# Altium PCB PCB2.PcbDoc
Units mil, origin at the board's own origin, x right, y up, seen from the top; angles counter-clockwise.
Board outline 2010 x 3790 mil, 2 copper layers (Top Layer, Bottom Layer); 87 components, 56 nets, 267 pads, 52 vias.
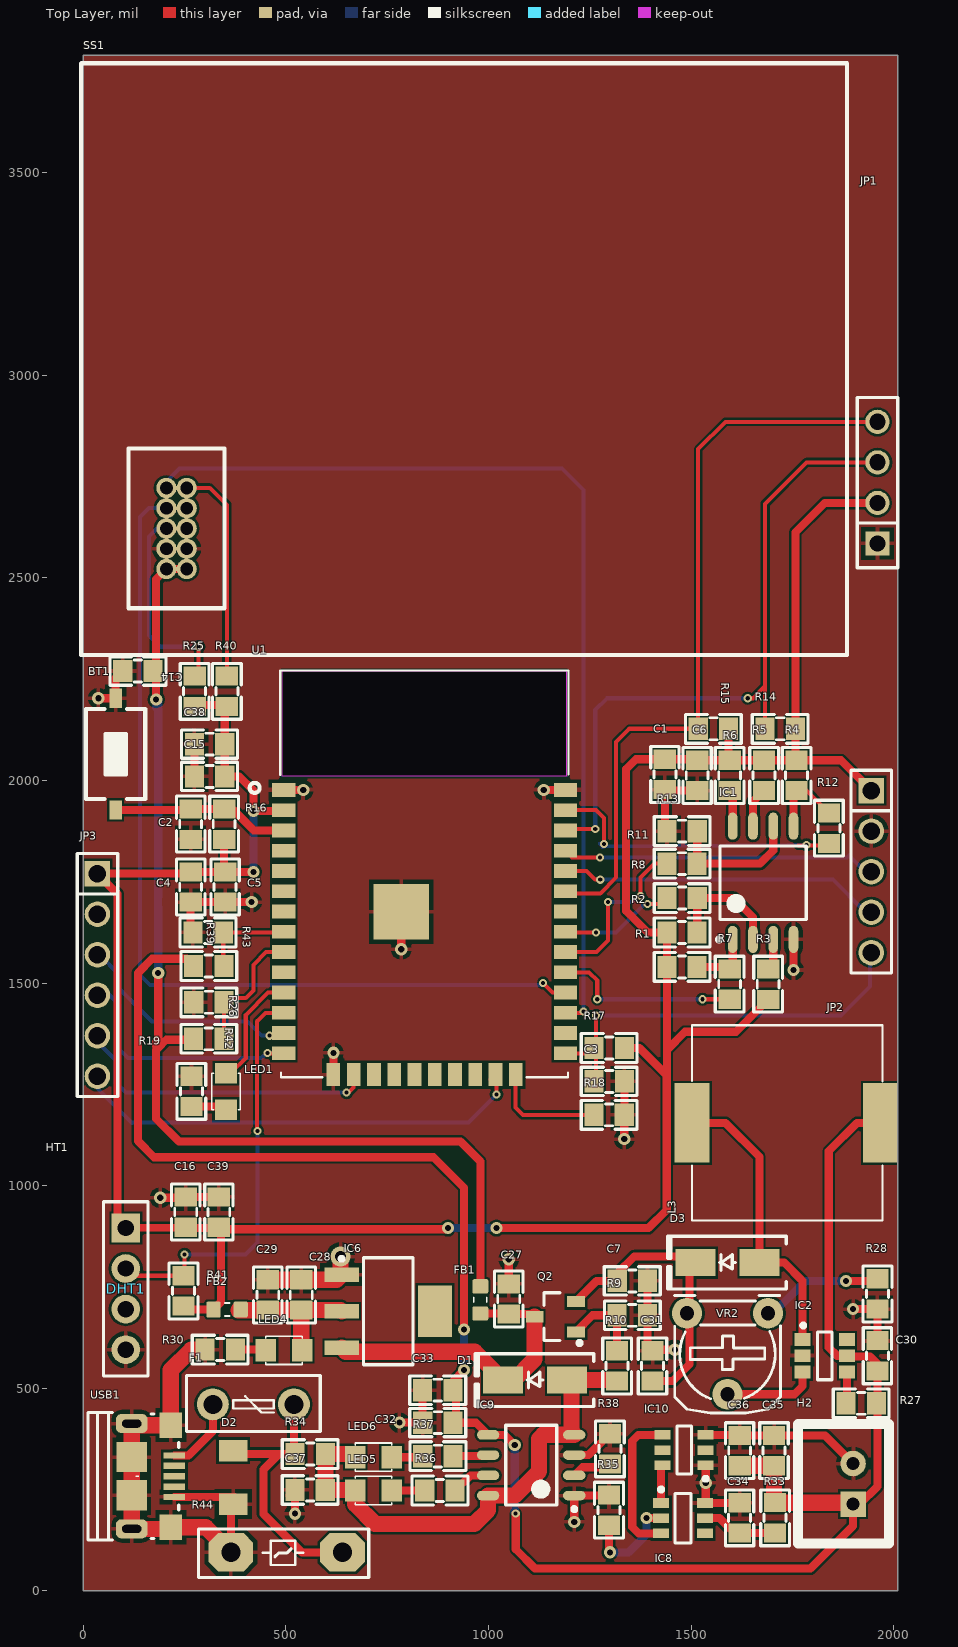
[diagram p0: Top Layer view]
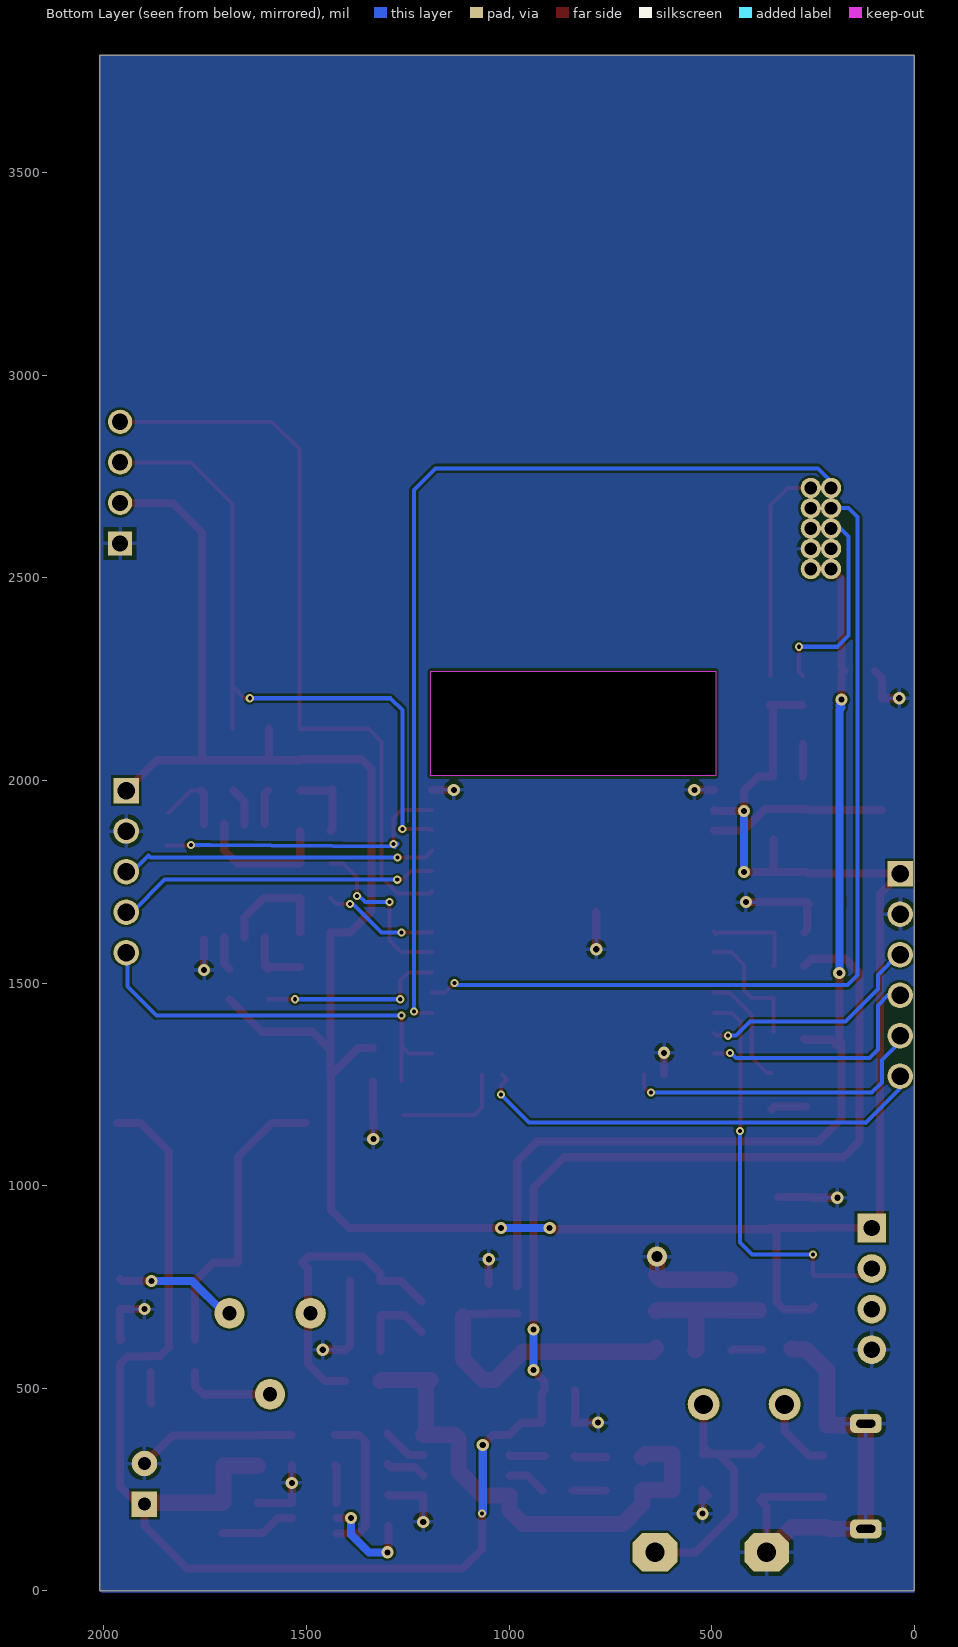
[diagram p1: Bottom Layer view, seen from below]
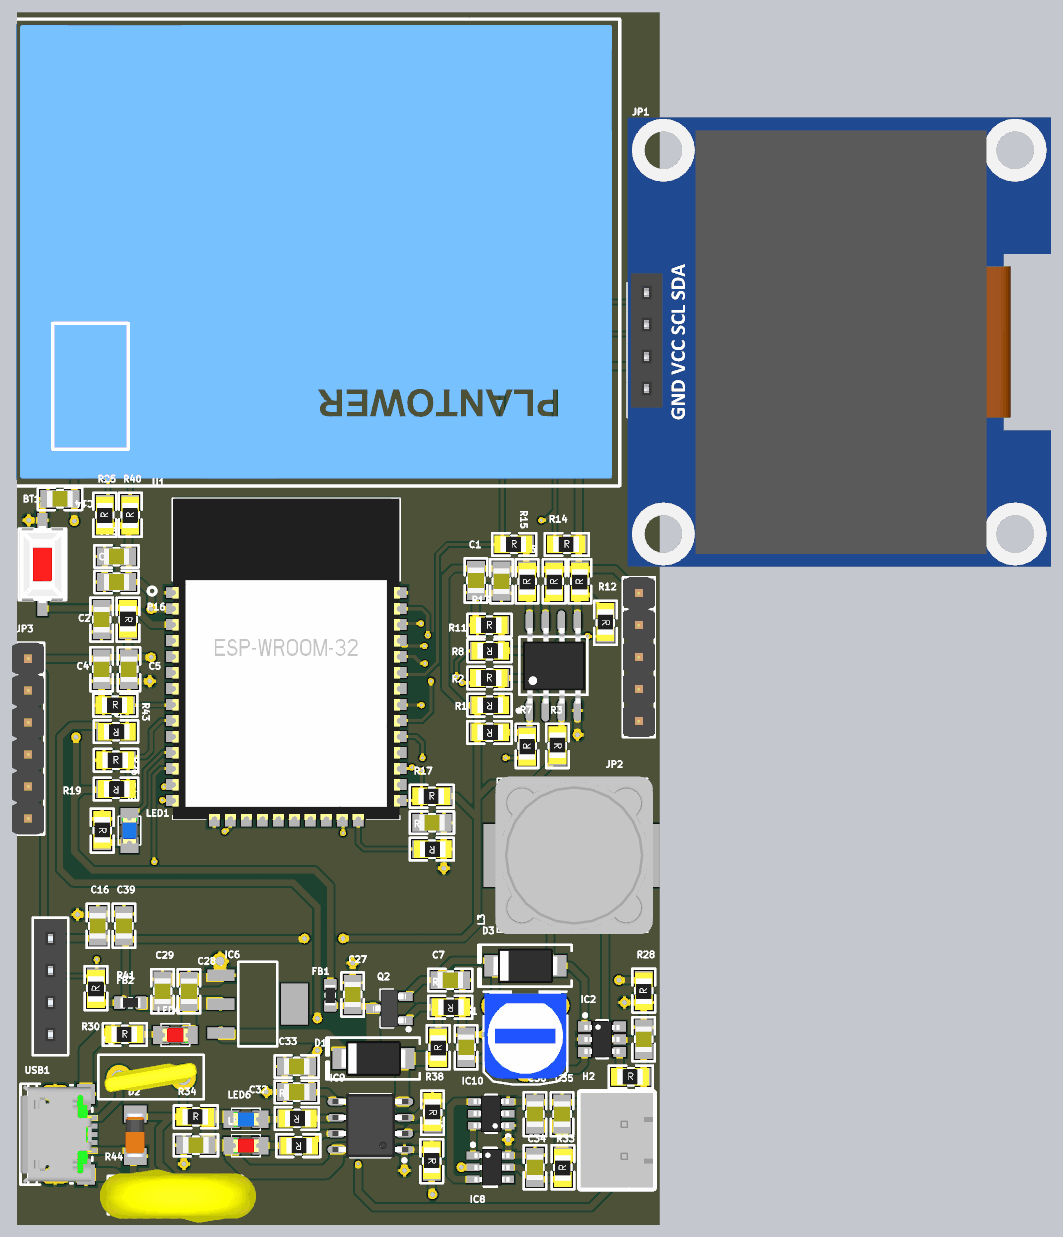
[diagram p2: 3D render of the assembled board from above, using the file's embedded part models]

## Layer stack, top to bottom
Top Solder: solder mask 0.4, Solder Resist, Dk 3.5
Top Layer: signal copper 1.4
Dielectric 1: dielectric 12.6, FR-4, Dk 4.8
Bottom Layer: signal copper 1.4
Bottom Solder: solder mask 0.4, Solder Resist, Dk 3.5

## Board outline
0,0 2010,0 2010,3790 0,3790
cut-out: 490,2270 490,2011.05 1195,2011.05 1193.74,2012.31 1193.74,2270

## Design rules (kind name [scope] priority, off if disabled: settings)
Clearance [All] p1: gap=6 ignorepadtopadclearanceinfootprint=FALSE
PolygonConnect [All] p1: connectstyle=Relief reliefconductorwidth=10 reliefentries=4 polygonreliefangle="90 Angle" airgapwidth=10
RoutingVias [All] p1: holewidth=15 width=30 viastyle="Through Hole" minholewidth=10 minwidth=20 maxholewidth=28 maxwidth=50
SolderMaskExpansion [All] p1: expansion=4
Width [All] p1: maxlimit=40 minlimit=10 preferedwidth=20
30 further rules are at their usual default settings.

## Classes and differential pairs
component class U_Sensor: C14 C15 C16 C38 C39 DHT1 R25 R40 R41 SS1
component class U_Power: C7 C27 C28 C29 C30 C31 C32 C33 C34 C35 C36 C37 D1 D2 D3 D6 F1 FB1 FB2 H2 IC2 IC6 IC8 IC9 IC10 L3 LED4 LED5 LED6 Q2 R9 R10 R27 R28 R30 R33 R34 R35 R36 R37 R38 R44 USB1 VR2
component class MCU: BT1 C1 C2 C3 C4 C5 C6 IC1 JP1 JP2 JP3 LED1 R1 R2 R3 R4 R5 R6 R7 R8 R11 R12 R13 R14 R15 R16 R17 R18 R19 R26 R39 R42 R43 U1

## Components (designator, comment, footprint, x,y, rotation, side; value= is the part's Value field where it differs from the comment)
BT1 "Nut Nhan 2 Chan SMD 3x6x2.5" "Nut Nhan 2 Chan SMD 3x6x2.5" 80,2065 r90 top
C1 "104" "Tu 0805" 1435.4,2014.65 r90 top
C2 "104" "tu 0805" 265.21,1892.23 r270 top
C3 "104" "tu 0805" 1297.93,1257.36 r0 top
C4 "106" "Tu 0805" 265.21,1737.23 r270 top
C5 "104" "tu 0805" 350.21,1737.23 r270 top
C6 "106" "Tu 0805" 1515.16,2012.23 r90 top
C7 "226" "tu 0805" 1355,765 r0 top
C14 "104" "tu 0805" 135,2270 r180 top
C15 "106" "Tu 0805" 311.54,2010 r0 top
C16 "106" "Tu 0805" 253.09,934.9 r270 top
C27 "106" "Tu 0805" 1050,720 r90 top
C28 "106" "Tu 0805" 537.95,730 r90 top
C29 "104" "tu 0805" 455.43,730.2 r90 top
C30 "226" "tu 0805" 1960,580 r90 top
C31 "226" "tu 0805" 1405,555 r90 top
C32 "106" "tu 0805" 875,415.21 r0 top
C33 "106" "Tu 0805" 875,495 r180 top
C34 "104" "tu 0805" 1620,180 r270 top
C35 "106" "Tu 0805" 1704.83,345.94 r90 top
C36 "106" "Tu 0805" 1620,345.94 r90 top
C37 "106" "Tu 0805" 560,248.73 r180 top
C38 "104" "Tu 0805" 311.54,2089.71 r0 top
C39 "104" "Tu 0805" 334.87,934.9 r270 top
D1 "SS14" "DIODE SMA" 1115,520 r180 top
D2 "0.5W 5.1V" "DIODE ZENNER SMD SOD80" 370,280 r270 top
D3 "SS34" "DIODE SMA" 1590,810 r180 top
DHT1 "DHT22" DHT22 105,745.2 r270 top
F1 "3A 16V" FUSE-RUEF250U-2 320,460 r0 top value=30V/2.5A
FB1 "120R" INDC1608N 980,717.87 r90 top value="120R @ 100 MHz"
FB2 "120R" INDC1608N 355,694.25 r180 top value="120R @ 100 MHz"
H2 "Header 2P 2.54 Duc Thang" XH2.54M-2 1900,214.06 r90 top
IC1 "W25Q16" "W25Q16 -SOIC8" 1677.93,1747.46 r90 top
IC2 "MT3608" SOT23-6A 1830,580 r0 top
IC6 "AMS1117 3.3V" SOT223 752.95,690 r0 top
IC8 "DW01A" SOT23127P600-8N 1480.41,179.29 r0 top
IC9 "TP4056 1A" SOP8 1105.53,310 r180 top
IC10 "FS8205A" SOT-23-6L 1483.15,347.4 r180 top
JP1 "OLED 1.3INCH" "JP 1x4 CT - OLED" 1960.13,2585 r90 top
JP2 "JP 1x5 2.54" "JP 1x5 DT" 1945,1975 r270 top
JP3 "JP 1x6 2.54" "JP 1x6 DT" 35,1770 r270 top
L3 "IND_22uH-3A" IND_22_12X12_SMD 1872.61,1115 r270 top
LED1 "LED SMD" SM-LED-0805-Blue 352.15,1277.57 r270 top
LED4 "LED SMD" SM-LED-0805-Red 540.56,593.43 r180 top
LED5 "LED SMD" SM-LED-0805-Red 671.53,247.57 r0 top
LED6 "LED SMD" SM-LED-0805-Blue 671.53,329.73 r0 top
Q2 "AO3401 30V/4A" SOT23_3 1165,676.54 r180 top value=20V/4A
R1 "10k" "tro smd 0805" 1477.93,1537.23 r180 top
R2 "10k" "tro smd 0805" 1477.93,1622.23 r180 top
R3 "10k" "tro smd 0805" 1692.93,1497.23 r270 top
R4 "10k" "tro smd 0805" 1757.93,2012.23 r90 top
R5 "10k" "tro smd 0805" 1677.93,2012.23 r90 top
R6 "10k" "tro smd 0805" 1592.93,2012.23 r90 top
R7 "47R" "tro smd 0805" 1592.93,1497.23 r90 top
R8 "47R" "tro smd 0805" 1477.93,1712.23 r0 top
R9 "100R" "tro smd 0805" 1355,677.6 r180 top
R10 "1R" "tro smd 0805" 1315,555 r90 top
R11 "47R" "tro smd 0805" 1477.93,1792.23 r180 top
R12 "47R" "tro smd 0805" 1842.93,1882.23 r270 top
R13 "100k" "tro smd 0805" 1477.93,1877.23 r0 top
R14 "4.7k" "tro smd 0805" 1720,2130 r0 top
R15 "4.7k" "tro smd 0805" 1555,2130 r0 top
R16 "10k" "tro smd 0805" 350.21,1892.23 r270 top
R17 "10k" "tro smd 0805" 1297.93,1342.23 r0 top
R18 "10k" "tro smd 0805" 1297.93,1172.23 r180 top
R19 "1k" "tro smd 0805" 269.57,1232.57 r270 top
R25 "10k" "tro smd 0805" 272.43,2220 r90 top
R26 "1.8k" "tro smd 0805" 310,1360 r180 top
R27 "10k" "tro smd 0805" 1920,465 r0 top
R28 "2.2k" "tro smd 0805" 1957.74,732.43 r90 top
R30 "100R" "tro smd 0805" 337.95,597.8 r0 top
R33 "100R" "tro smd 0805" 1705,180 r90 top
R34 "0.5R" "tro smd 0805" 560,340 r0 top
R35 "1k" "tro smd 0805" 1300,199.23 r270 top
R36 "1k" "tro smd 0805" 880.53,245 r180 top
R37 "1k" "tro smd 0805" 875.53,330 r180 top
R38 "1.2k" "tro smd 0805" 1302.39,350.36 r270 top
R39 "910R" "tro smd 0805" 310,1539.62 r180 top
R40 "10k" "tro smd 0805" 352.15,2220 r90 top
R41 "10k" "tro smd 0805" 245,740 r90 top
R42 "3.3k" "tro smd 0805" 310,1455 r0 top
R43 "3.3k" "tro smd 0805" 307.93,1627.23 r0 top
R44 "7D180K" VARISTOR-7D180K 394.67,92.91 r0 top value=47V/250A
SS1 "PMS7003" PMS7003 1710,3335 r90 top
U1 "ESP32-WROOM-32U" ESP32-WROOM-32 842.35,1645.41 r0 top
USB1 "USB Micro 5p DIP" "USB Micro 5p DIP" 119.68,282.82 r270 top
VR2 "100K" "Bien Tro Tam Giac Dung" 1690,685 r180 top

## Footprints (in the part's own frame and the unit in brackets; to place one, negate y for a bottom-side part, rotate by r counter-clockwise, add the part's x,y. Pads: shape width x height; smd on the part's side, far side on the other; paste and mask are expansions set on the pad)
"Bien Tro Tam Giac Dung" [mil] "RM065"
  round 75 hole 35: 1(0,0) 2(100,200) 3(200,0)
  silkscreen extent -31,-44 231,246, body extent -28,-50 228,228, height 279
DHT22 [mm]
  rect 1.8x1.8 hole 1.02: 1(-3.81,0)
  round 1.8 hole 1.02: 2(-1.27,0) 3(1.27,0) 4(3.81,0)
  silkscreen extent -5.46,-1.4 5.46,1.4, body extent -7.86,-5.84 7.61,2.31, height 35.57
"DIODE SMA" [mm] "SMA"
  rect 2.5x1.7 smd: 1(-2,0) 2(2,0)
  silkscreen extent -3.68,-1.65 3.75,1.65, body extent -2.6,-1.37 2.6,1.37, height 2.4
"DIODE ZENNER SMD SOD80" [mm] "SOD80"
  rect 1.35x1.8 smd: 1(1.675,0) 2(-1.675,0)
  body extent -1.75,-0.76 1.75,0.74, height 1.45
ESP32-WROOM-32 [mm]
  rect 1.45x0.86 smd: 1(-8.83,8.41) 2(-8.83,7.14) 3(-8.83,5.87) 4(-8.83,4.6) 5(-8.83,3.33) 6(-8.83,2.06) 7(-8.83,0.79) 8(-8.83,-0.48) 9(-8.83,-1.75) 10(-8.83,-3.02) 11(-8.83,-4.29) 12(-8.83,-5.56) 13(-8.83,-6.83) 14(-8.83,-8.1) 25(8.83,-8.1) 26(8.83,-6.83) 27(8.83,-5.56) 28(8.83,-4.29) 29(8.83,-3.02) 30(8.83,-1.75) 31(8.83,-0.48) 32(8.83,0.79) 33(8.83,2.06) 34(8.83,3.33) 35(8.83,4.6) 36(8.83,5.87) 37(8.83,7.14) 38(8.83,8.41)
  rect 0.86x1.45 smd: 15(-5.715,-9.43) 16(-4.445,-9.43) 17(-3.175,-9.43) 18(-1.905,-9.43) 19(-0.635,-9.43) 20(0.635,-9.43) 21(1.905,-9.43) 22(3.175,-9.43) 23(4.445,-9.43) 24(5.715,-9.43)
  rect 3.5x3.5 smd: 39(-1.46,0.77)
  silkscreen extent -10.96,-9.6 9.04,15.9, body extent -9.03,-9.64 9.04,15.9, height 3
FUSE-RUEF250U-2 [mm] "PTC Resettable Fuses - 2A"
  round 2 hole 1.2 paste+0 mask+0: 1(0,0) 2(5.08,0)
  silkscreen extent -1.65,-1.7 6.73,1.8, body extent -1.29,-1.46 6.29,1.5, height 15
IND_22_12X12_SMD [mil] "SMD INDUCTOR"
  rect 196.85x86.61 smd: 1(-40,95) 2(-40,-370)
  silkscreen extent -281,-370 201,100, body extent -286,-376 206,116, height 236
INDC1608N [mm] "Chip bead, Body 1.6x0.8mm, 0603, IPC Medium Density"
  rrect25% 0.9x1 smd: 1(-0.85,0) 2(0.85,0)
  Top Layer pour cut-out: -0.4,0.6 0.4,0.6 0.4,-0.6 -0.4,-0.6
  silkscreen extent -0.15,-0.41 0.15,0.41, body extent -0.8,-0.4 0.8,0.4, height 0.79
"JP 1x4 CT - OLED" [mm]
  rect 1.52x1.52 hole 1.02: 1(0,0)
  round 1.52 hole 1.02: 2(2.54,0) 3(5.08,0) 4(7.62,0)
  silkscreen extent -1.52,-1.27 9.14,1.27, body extent -13.38,-32.33 22.27,1.27, height 8.51
"JP 1x5 DT" [mm] "5 pins, 1 row, straight, gold plating"
  rect 1.6x1.6 hole 1.1: 1(0,0)
  round 1.6 hole 1.1: 2(2.54,0) 3(5.08,0) 4(7.62,0) 5(10.16,0)
  silkscreen extent -1.27,-1.27 11.43,1.27, body extent -1.27,-1.27 11.43,1.27, height 8.54
"JP 1x6 DT" [mm] "6 pins, 1 row, straight, gold plating"
  rect 1.6x1.6 hole 1.1: 1(0,0)
  round 1.6 hole 1.1: 2(2.54,0) 3(5.08,0) 4(7.62,0) 5(10.16,0) 6(12.7,0)
  silkscreen extent -1.27,-1.27 13.97,1.27, body extent -1.27,-1.27 13.97,1.27, height 8.54
"Nut Nhan 2 Chan SMD 3x6x2.5" [mm] "Switch SMD type"
  rect 1.2x0.8 smd: 1(-3.5,0) 2(3.5,0)
  silkscreen extent -2.82,-1.85 2.82,1.85, body extent -3.05,-1.85 3.05,1.85, height 2.5
PMS7003 [mm]
  round 1.27 hole 0.8: 1(-20.654,38.219) 2(-20.654,36.949) 3(-19.384,38.219) 4(-19.384,36.949) 5(-18.114,38.219) 6(-18.114,36.949) 7(-16.844,38.219) 8(-16.844,36.949) 9(-15.574,38.219) 10(-15.574,36.949)
  silkscreen extent -26.04,-4.45 11.05,43.56, body extent -25.78,-4.19 10.92,43.51
SM-LED-0805-Blue [mil]
  rect 50x55 smd: 1(0,0) 2(90,0)
  silkscreen extent 0,-35 90,35, body extent 5,-25 85,25, height 43
SM-LED-0805-Red [mil]
  rect 50x55 smd: 1(0,0) 2(90,0)
  silkscreen extent 0,-35 90,35, body extent 5,-25 85,25, height 43
SOP8 [mm]
  oval 1.4x0.6 smd: 1(-2.7,1.905) 2(-2.7,0.635) 3(-2.7,-0.635) 4(-2.7,-1.905) 5(2.7,-1.905) 6(2.7,-0.635) 7(2.7,0.635) 8(2.7,1.905)
  silkscreen extent -2.83,-2.5 1.6,2.88, body extent -3.02,-2.51 3.02,2.51, height 1.6
SOT23-6A [mm]
  rect 1x0.8 smd: 1(-1.397,1.016) 2(-1.403,0) 3(-1.397,-1.016) 4(1.397,-1.016) 5(1.397,0) 6(1.397,1.016)
  silkscreen extent -1.47,-1.5 0.45,2.02, body extent -1.4,-1.45 1.4,1.45, height 1.45
SOT23_3 [mm] "SOT23, 3-Leads, Body 2,90x2,30mm, Pitch 0,95mm, IPC Medium Density"
  rect 1.1x0.7 smd: 1(-1.3,0.95) 2(-1.3,-0.95) 3(1.3,0)
  silkscreen extent -1.65,-1.5 0.7,1.78, body extent -1.3,-1.5 1.3,1.5, height 1.1
SOT223 [mm] "SOT223, 4-Leads, Body 6.50x7.00mm (avg), Pitch 2.29mm, IPC Medium Density"
  rect 2.15x0.9 smd: 1(-2.925,2.29) 2(-2.925,0) 3(-2.925,-2.29)
  rect 2.15x3.25 smd: 4(2.925,0)
  silkscreen extent -3.05,-3.35 1.55,3.41, body extent -1.85,-3.35 1.85,3.35, height 1.8
SOT23127P600-8N [mm]
  rect 1x0.6 smd: 1(-1.375,0.95) 2(-1.375,0) 3(-1.375,-0.95) 4(1.375,-0.95) 5(1.375,0) 6(1.375,0.95)
  silkscreen extent -1.5,-1.55 0.5,1.92, body extent -1.27,-1.45 1.53,1.45, height 1.45
SOT-23-6L [mm]
  rect 1x0.6 smd: 1(-1.35,0.95) 2(-1.35,0) 3(-1.35,-0.95) 4(1.35,-0.95) 5(1.35,0) 6(1.35,0.95)
  silkscreen extent -1.48,-1.5 0.45,1.92, body extent -1.4,-1.45 1.4,1.45, height 1.45
"tro smd 0805" [mm]
  rect 1.2x1.4 smd: 1(-0.946,-0.061) 2(0.954,-0.061)
  silkscreen extent -1.75,-0.97 1.75,0.84, body extent -1.56,-0.76 1.44,0.64, height 0.53
"Tu 0805" [mm] "Compoment SMD 80x50mil"
  rect 1.2x1.4 smd: 1(-0.946,-0.003) 2(0.954,-0.003)
  silkscreen extent -1.75,-0.89 1.75,0.89, body extent -1.01,-0.64 1.01,0.63, height 0.61
"tu 0805" [mm] "Compoment SMD 80x50mil"
  rect 1.2x1.4 smd: 1(-0.946,-0.003) 2(0.954,-0.003)
  silkscreen extent -1.75,-0.89 1.75,0.89, body extent -1.01,-0.64 1.01,0.63, height 0.61
"USB Micro 5p DIP" [mm]
  rect 0.4x1.35 smd mask+0.05: 1(-1.3,2.675) 2(-0.65,2.675) 3(0,2.675) 4(0.65,2.675) 5(1.3,2.675)
  rrect60% 1.2x2 hole 0.5 slot 1.2 at 90 deg: 5(-3.3,0) 5(3.3,0)
  rect 1.6x1.4 smd: 5(-3.2,2.45) 5(3.2,2.45)
  rect 1.9x1.9 smd paste-10: 5(-1.2,0) 5(1.2,0)
  silkscreen extent -4,-2.75 4,2.95, body extent -3.93,-2.76 3.93,2.9, height 2.85
VARISTOR-7D180K [mm]
  oct 2.8x2.4 hole 1.2 paste+0 mask+0: 1(-0.769,0.053) 2(6.231,0.053)
  silkscreen extent -2.79,-1.52 7.87,1.52, body extent -3.48,-2.18 9.02,2.03, height 16.25
"W25Q16 -SOIC8" [mm]
  oval 1.7x0.6 smd: 1(-3.55,1.905) 2(-3.55,0.635) 3(-3.55,-0.635) 4(-3.55,-1.905) 5(3.55,-1.905) 6(3.55,-0.635) 7(3.55,0.635) 8(3.55,1.905)
  silkscreen extent -3.67,-2.7 2.3,2.88, body extent -3,-2.49 3,2.67, height 5.5
XH2.54M-2 [mm]
  rect 1.6x1.6 hole 0.8: 1(0,0)
  round 1.6 hole 0.8: 2(2.54,0)
  silkscreen extent -2.48,-2.26 5.02,3.46, body extent -2.48,-2.26 5.02,3.48, height 6.91

## Part data
C1 C38 C39: library part "Tu 104", "Dán", Chung_Loai=Dán, Don_Vi=Con, Ma_Hang=MH004551, Ten_Linh_Kien="T? 0805 104-100nF 10% 50V"
C2 C3 C5 C14 C29 C34: library part "Tu 0805 104 50V 10%", "Dán", Chung_Loai=Dán, Don_Vi=Con, Ma_Hang=MH004551, So_Chan=2, Ten_Linh_Kien="T? 0805 104-100nF 10% 50V"
C4 C6 C15 C16 C27 C28 C32 C33 C35 C36 C37: library part "Tu 0805 106 16V 10%", "Dán", Chung_Loai=Dán, Don_Vi=Con, Ma_Hang=MH004553, So_Chan=2, Ten_Linh_Kien="T? 0805 106-10uF 10% 16V"
C7 C31: library part "Tu 0805 226 16V 20%", "Dán", Chung_Loai=Dán, Don_Vi=Con, Ma_Hang=MH004559, So_Chan=2, Ten_Linh_Kien="T? 0805 224-0.22uF 10% 50V"
C30: library part "Tu 0805 224 50V 10%", "Dán", Chung_Loai=Dán, Don_Vi=Con, Ma_Hang=MH004559, So_Chan=2, Ten_Linh_Kien="T? 0805 224-0.22uF 10% 50V"
D1: library part "Diode SS14 ( 1N5819)", "Dán", Chung_Loai=Dán, Don_Vi=Con, Ma_Hang=MH002211, Ten_Linh_Kien="Diode SS14 DO214 Schottky 1A 40V ( 1N5819 DO214)"
D2: library part "Diode Zener 5.1V", "Dán", Chung_Loai=Dán, Don_Vi=Con, Ma_Hang=MH002881, Ten_Linh_Kien="Diode Zener 1/2W 5.1V SMD1206 ZMM5.1"
D3: library part "Diode SS34 ( 1N5822 )", "Dán", Chung_Loai=Dán, Don_Vi=Con, Ma_Hang=MH002104, Ten_Linh_Kien="Diode SS34 3A 40V SMA ( 1N5822 SS34A)"
DHT1: Manufacturer="W¨¹rth Elektronik eiSos GmbH", partNo=613004143121, ComponentLink1 Description=Manufacturer, ComponentLink1URL=http://www.we-online.com, ComponentLink2 Description=Datasheet, ComponentLink2URL=http://katalog.we-online.de/em/datasheet/6130xx143121.pdf, Created by="Karrer Zheng", Created Date="29 March 2013", NoPins=04
F1: library part "Cau chi tu phuc hoi 3A 16V", "FUSE POLYSWITCH RUE SERIES 3A 16V", MPN=RUEF250U-2, CompanyID=VT-00891, Solder=WAVE
FB1 FB2: library part FERRITE_120R_2.5A-0603, "Ferrite bead 120 Ohm at 100 MHz 2A 0603 SMD", Current=900mA, Current Rating=2A, DC Resistance (DCR)="172.9 mOhm Max", Frequency - Self Resonant=23MHz, Frequency - Test=100kHz, Impedance @ Frequency="120 Ohm @ 100MHz", Manufacturer 1="Murata Electronics North America", Operating Temperature="-40°C ~ 105°C", Package / Case="1210 (3225 Metric)", Ratings="2 A; 50 mO DC", Supplier Part Number 1=490-1037-1-ND, Applications="Power Supplies", ComponentLink1Description=http://www.yuden.co.jp/ut/product/pdf/wound02_e.pdf, ComponentLink1URL=http://www.yuden.co.jp/ut/product/pdf/wound02_e.pdf, ComponentLink2Description=http://search.murata.co.jp/Ceramy/image/img/PDF/ENG/L0110S0100BLM18P.pdf, ComponentLink2URL=http://search.murata.co.jp/Ceramy/image/img/PDF/ENG/L0110S0100BLM18P.pdf, Current - Saturation=900mA, Current - Temperature Rise=900mA, Filter Type="Differential Mode - Single", Height (Max)="0.037\" (0.95mm)", Mounting Type="Surface Mount", Number of Lines=1, SCDType=source, Size / Dimension="0.063\" L x 0.031\" W (1.60mm x 0.80mm)", Supplier 1=Digi-Key
H2: "C?m", Chung_Loai=C?m, Don_Vi=Con, Ma_Hang=MH001283, Ten_Linh_Kien="Header 2P XH2.54-2P Ð?c Th?ng"
IC2: library part MT3608_Boost
JP1: library part "JP 1x4 2.54 Cai Thang", "C?m", Chung_Loai=C?m, Don_Vi=Con, Ma_Hang=MH004006, Ten_Linh_Kien="Jump Ðon Cái 2.54MM 1x20P Th?ng"
JP2: library part "JP 1x5 2.54 Duc Thang", "C?m", Chung_Loai=C?m, Don_Vi=Con, Ma_Hang=MH000903, Ten_Linh_Kien="Jump Ðon Ð?c 2.54MM 1x40P Th?ng 11MM"
JP3: library part "JP 1x6 2.54 Duc Thang", "C?m", Chung_Loai=C?m, Don_Vi=Con, Ma_Hang=MH000903, Ten_Linh_Kien="Jump Ðon Ð?c 2.54MM 1x40P Th?ng 11MM"
L3: library part IND_22uH-3A-30%-SMD_1, "Fixed Inductors MSS1038 SMT Shielded 15 uH 20 % 3.8 A", Alternate Part Number-1=NA, Case/Package=SMD, Manufacturer=Bourns, Manufacturer Part Number=MSS1038-153MLC, Supplier-1="COILCRAFT SAMPLE", Supplier Part Number-1=MSS1038-153MLC
LED1 LED4 LED5 LED6: library part LED-SMD-0805
Q2: library part AO3401, "MOSFET P-CH 30V 4A SOT23", MFR="Alpha & Omega Semiconductor Inc.", MPN=AO3415, Solder=SMT
R1 R2 R3 R4 R5 R6 R25 R27 R40 R41: library part "Tro 0805 5% 10k", "Dán", Chung_Loai=Dán, Don_Vi=Con, Ma_Hang=MH005239, So_Chan=2, Ten_Linh_Kien="Tr? 0805 5% 10k"
R7 R8 R11 R12: library part "Tro 0805 5% 47R", "Dán", Chung_Loai=Dán, Don_Vi=Con, Ma_Hang=MH005321, So_Chan=2, Ten_Linh_Kien="Tr? 0805 5% 47R"
R9 R19 R30 R33: library part "Tro 0805 5% 100R", "Dán", Chung_Loai=Dán, Don_Vi=Con, Ma_Hang=MH005251, So_Chan=2, Ten_Linh_Kien="Tr? 0805 5% 100R"
R10: library part "Tro 0805 1% 1R", "Dán", Chung_Loai=Dán, Don_Vi=Con, Ma_Hang=MH004177, So_Chan=2, Ten_Linh_Kien="Tr? 0805 1% 1R"
R13: library part "Tro 0805 5% 100k", "Dán", Chung_Loai=Dán, Don_Vi=Con, Ma_Hang=MH005250, So_Chan=2, Ten_Linh_Kien="Tr? 0805 5% 100k"
R14 R15: library part "Tro 0805 1% 10k", "Dán", Chung_Loai=Dán, Don_Vi=Con, Ma_Hang=MH005473, So_Chan=2, Ten_Linh_Kien="Tr? 0805 1% 10k"
R16 R17 R18: library part "Tro 0805 5% 12k", "Dán", Chung_Loai=Dán, Don_Vi=Con, Ma_Hang=MH005241, So_Chan=2, Ten_Linh_Kien="Tr? 0805 5% 12k"
R26: library part "Tro 0805 1% 1.8k", "Dán", Chung_Loai=Dán, Don_Vi=Con, Ma_Hang=MH005468, So_Chan=2, Ten_Linh_Kien="Tr? 0805 1% 1k"
R28: library part "Tro 0805 5% 2.2k", "Dán", Chung_Loai=Dán, Don_Vi=Con, Ma_Hang=MH005237, So_Chan=2, Ten_Linh_Kien="Tr? 0805 5% 2.2k"
R34: library part "Tro 0805 5% 0.5R", "Dán", Chung_Loai=Dán, Don_Vi=Con, Ma_Hang=MH005303, So_Chan=2, Ten_Linh_Kien="Tr? 0805 5% 0.5R"
R35 R36 R37: library part "Tro 0805 5% 1k", "Dán", Chung_Loai=Dán, Don_Vi=Con, Ma_Hang=MH005234, So_Chan=2, Ten_Linh_Kien="Tr? 0805 5% 1k"
R38: library part "Tro 0805 5% 1.2k", "Dán", Chung_Loai=Dán, Don_Vi=Con, Ma_Hang=MH005231, So_Chan=2, Ten_Linh_Kien="Tr? 0805 5% 1.2k"
R39: library part "Tro 0805 1% 910R", "Dán", Chung_Loai=Dán, Don_Vi=Con, Ma_Hang=MH008813, So_Chan=2, Ten_Linh_Kien="Tr? 0805 1% 9.1k"
R42 R43: library part "Tro 0805 1% 3.3k", "Dán", Chung_Loai=Dán, Don_Vi=Con, Ma_Hang=MH005472, So_Chan=2, Ten_Linh_Kien="Tr? 0805 1% 3.3k"
R44: library part "Varistor 7D180K", "VARISTOR 7V 18A DISC 7MM", MPN=V47ZA1P, Category=VARISTOR, CompanyID=VT-00888, Solder=WAVE
U1: "Wi-Fi/BT BLE Module ESP32-D0WD", MFR=Espressif, Category=MODULE, MPN=ESP32-WROOM-32U, PinCount=40, Price=None, Solder=SMT
USB1: "USB Type B", Ma_Hang=MH005145, Ten="MicroUSB MK5P DIP"
VR2: library part "Bien tro tam giac 100K Dung", "C?m", Chung_Loai=C?m, Don_Vi=Con, Ma_Hang=MH003711, Ten_Linh_Kien="Bi?n Tr? Tam Giác 104-100K RM065"
BT1: Ma_Hang=MH001036, Ten="Nút Nh?n 2 Chân 3x6x2.5MM SMD"

## Via types
v1: diameter 30, hole 15, Top Layer to Bottom Layer, 28 vias
v2: diameter 20, hole 10, Top Layer to Bottom Layer, 23 vias
v3: diameter 50, hole 28, Top Layer to Bottom Layer, 1 vias

## Nets (pads, with @x,y where several pads share a name; then routed paths per layer and width w, separated by ;. In a path a pad name is that pad's centre, name@x,y a point inside that pad or via, vN(x,y) a via of type N, cw(c..) or ccw(c..) an arc to the next point about the centre after c; other vN are vias at no path point)
3.3VDC: C1.2 C4.1 C5.1 C6.2 C15.2 C16.2 C38.2 C39.2 DHT1.1 FB2.2 JP1.2 JP2.1 JP3.1 R1.2 R2.2 R3.2 R4.2 R5.2 R6.2 R14.2 R15.2 R16.2 R17.2 R25.1 R40.1 R41.1 U1.2 | length 6749
  Top Layer w20: JP3.1 85,1720 85,896.71 105.01,896.6 252.94,895.77 334.73,895.31 355,895.2 355,892.43 897.03,892.43 v1(899.8,895.2) ; JP3.1@50,1770 260.62,1770 C4.1 C5.1 ; R41.1 255.91,694.25 FB2.2 340,712.72 340,892.43 C39.2@334.87,892.43 ; R25.1@276,2186.34 356,2186.34 349.11,2179.45 C38.2 C15.2 385.13,2009.87 420,1975 v1(420,1925) 493.2,1925 U1.2 ; R16.2 347.82,1776.72 C5.1 ; v1(420.54,1774.46) C5.1 ; v1(1020,895.2) 1395.2,895.2 1440,940 1440,1271.87 1440.35,1272.23 ; R17.2 1372.75,1339.83 1440.35,1272.23 ; R15.2 1592.57,2052.55 R6.2 ; R3.2 1610.6,1379.72 1485.07,1379.72 1440.35,1335 ; JP2.1 1870.2,2049.8 R4.2 ; JP1.2 1830,2685 1757.57,2612.57 R14.2 1757.57,2052.55 R4.2 ; 1440.35,1272.23 1440.35,1335 ; 1440.35,1335 R1.2 R2.2 1393.11,1624.62 1340,1677.73 1340,2028.12 1364.11,2052.23 C1.2 1512.87,2052.23 C6.2 R6.2 ; R6.2 R5.2 R4.2
  Bottom Layer w20: v1(420,1925) 420,1775 v1(420.54,1774.46) ; v1(899.8,895.2) v1(1020,895.2)
4.2V: C30.1 C32.2 C33.1 C35.1 C36.1 H2.1 IC2.5 IC9.5 L3.1 R27.2 R33.2 R39.2 | length 4927.3
  Top Layer w20: R39.2 254.44,1560 170,1560 135,1525 135,1110 175,1070 864.84,1070 940,994.84 v1(940,645) ; v1(940,545) 940,544.54 912.23,516.76 C33.1 920.45,486.91 920.45,414.87 969.36,414.87 IC9.5 1040,385 v1(1065,360) ; v2(1067.35,190.35) 1067.35,102.65 1115,55 1795,55 1900,160 H2.1 1916.48,214.06 1960.13,257.71 C30.1 1960.13,559.87 1942.05,577.95 1887.05,577.95 IC2.5 1860,579.99 1860,580.54 1840,600.54 1840,1085 1910,1155 L3.1
  Top Layer w40: C36.1 C35.1 1704.96,220.01 R33.2 1896.48,217.57 H2.1
  Bottom Layer w20: v1(940,545) v1(940,645) ; v1(1065,360) 1065,192.7 v2(1067.35,190.35)
5V: C37.1 D1.1 IC9.4 IC9.8 LED5.1 LED6.1 R10.1 R34.2 | length 1261.4
  Top Layer w40: LED6.1 663.65,337.61 R34.2 597.57,249.21 C37.1 670.24,248.86 LED5.1 671.53,213.47 720,165 965,165 999.23,199.23 IC9.8 1065,235 1125,295 1125,375 1135,385 IC9.4 1205,391.83 1205,508.74 D1.1 1315.17,520 R10.1
5VDC: C14.1 FB1.2 R26.2 SS1.1 SS1.2 | length 2693.9
  Top Layer w20: v1(180,2200) 180,2262.36 C14.1 180,2277.91 180,2496.54 SS1.1 SS1.2 ; v1(185,1525) 185,1360 180,1355 185,1350 180,1345 185,1340 ; R26.2 270.03,1360 205,1360 185,1340 ; FB1.2 980,1060 931,1109 236,1109 180,1165 180,1335 185,1340
  Bottom Layer w20: v1(180,2200) 185,2195 180,2190 185,2185 180,2180 185,2175 185,1713.15 184.35,1712.49 184.35,1686.81 185,1686.16 v1(185,1525)
+3.3V: C28.1 C29.1 FB2.1 IC6.2 LED4.1 | length 356.7
  Top Layer w40: FB2.1@382.95,692.28 454.87,692.28 C29.1 537.89,692.97 C28.1 ; LED4.1 538.09,595.91 C28.1 ; IC6.2 635.02,692.77 C28.1
+5V: C27.1 D1.2 FB1.1 IC6.3 Q2.3 | length 772.6
  Top Layer w20: FB1.1 1048.5,684.41 C27.1 1107.58,682.77 Q2.3
  Top Layer w40: IC6.3 647.64,590 966.26,590 D1.2 1062.35,520 1113.82,571.47 Q2.3
BOOT: C3.1 JP2.5 R17.1 U1.25 | length 1035.2
  Top Layer w10: U1.25 1247.38,1326.51 R17.1 1265,1344.13 1265,1419.3 v2(1265.7,1420) ; C3.1@1265.7,1257.23 R17.1@1265.7,1339.83
  Bottom Layer w10: v2(1265.7,1420) 1870,1420 1942.05,1492.05 1942.05,1562.95 JP2.5@1930,1575
DATA_DHT22: DHT1.2 R41.2 U1.12 | length 1015.8
  Top Layer w10: DHT1.2 122.62,777.57 R41.2 250,780.18 v2(250,830) ; v2(430,1135) 429.14,1135.86 429.14,1405.66 450,1426.51 U1.12
  Bottom Layer w10: v2(250,830) 400,830 430,860 v2(430,1135)
EN: BT1.1 C2.1 R16.1 U1.3 | length 437.6
  Top Layer w20: BT1.1 262.83,1927.2 C2.1 R16.1 368.47,1929.46 421.41,1876.51 U1.3
G1: IC8.1 IC10.6 | length 94.8
  Top Layer w20: IC8.1 1426.28,306.28 IC10.6
G2: IC8.3 IC10.4 | length 371.1
  Top Layer w20: IC8.3 1371.01,141.89 1355,157.9 1355,370 1369.8,384.8 IC10.4
GND: BT1.2 C1.1 C2.2 C3.2 C4.2 C5.2 C6.1 C7.2 C14.2 C15.1 C16.1 C27.2 C28.2 C29.2 C30.2 C31.2 C32.1 C33.2 C34.1 C35.2 C36.2 C37.2 C38.1 C39.1 D2.1 DHT1.4 H2.2 IC1.4 IC2.2 IC6.1 IC8.6 IC9.1 IC9.3 IC10.1 IC10.3 JP1.1 JP2.2 JP3.2 R9.1 R13.1 R18.1 R19.1 R28.1 R30.1 R35.1 R38.1 R42.1 R43.1 R44.1 SS1.3 SS1.4 U1.1 U1.15 U1.38 U1.39 USB1.5 | length 4115.5
  Top Layer w20: v1(37.2,2202.8) BT1.2 80,2252.71 C14.2 ; USB1.5@119.68,412.74 USB1.5@123.62,408.8 ; v1(190,970) C16.1@252.95,970 ; USB1.5@225,231.64 372.94,231.64 D2.1@380.26,224.32 ; C16.1@252.83,972.13 C39.1 ; C4.2@260.43,1695 C4.2 ; R43.1 265.08,1630.46 C4.2 ; C15.1 C38.1 ; R44.1 364.41,207.94 380.53,224.06 D2.1@380,224.06 ; v1(415.69,1699.65) C5.2 C4.2 ; U1.1 v1(542.93,1976.51) ; C37.2@509.14,235.57 C37.2 v1(522.43,190.35) ; U1.15 v1(617.35,1327.81) ; v1(780.21,415.08) C32.1 837.43,415.43 C33.2 ; v1(784.87,1583.46) U1.39 ; C32.1@837.95,415.21 C32.1@838.3,414.87 ; C27.2 v1(1050.13,818.36) ; v1(1136.51,1976.51) U1.38 ; v1(1211.83,170) IC9.1 1296.15,235 R35.1 ; IC9.3 1247.41,335 R38.1 ; v1(1335.16,1114.84) R18.1 ; R18.1@1335.5,1174.97 C3.2 ; C7.2 1392.57,680.34 R9.1 1392.23,605.48 C31.2 1407.56,595 v1(1460,595) ; R13.1 1435.54,1880 C1.1 1437.96,1975 C6.1 ; IC10.1 v1(1536.3,266.3) 1536.3,218.45 IC8.6 1619.33,216.69 C34.1 ; IC10.3 1618.85,384.8 C36.2 C35.2 1830.54,383.52 H2.2 ; v1(1752.93,1532.23) IC1.4 ; v1(1900.2,695.2) R28.1 C30.2 C30.2@1957.23,620.48
  Top Layer w40: USB1.5@119.68,412.74 119.68,330.06 119.68,235.57 119.68,152.9 212.2,152.9 216.14,156.83 302.57,156.83 R44.1 ; USB1.5@123.62,408.8 216.14,408.8 216.14,545 266.54,595.4 R30.1 R30.1@303.09,597.76 ; C29.2 455.76,767.57 C28.2 625.21,767.57 IC6.1 635,782.95 v3(635,825)
GPIO2: R18.2 U1.24 | length 282
  Top Layer w10: U1.24 1067.35,1192.65 1085.38,1174.62 R18.2
GPIO32: R39.1 R43.2 U1.8 | length 237.6
  Top Layer w10: R39.1 345.5,1543.74 R43.2 482.97,1624.83 488,1619.8 U1.8
GPIO33: R26.1 R42.2 U1.9 | length 315.4
  Top Layer w10: R26.1@347.23,1378.91 347.57,1379.25 347.57,1462.61 401.09,1462.61 420,1481.51 420,1545 451.51,1576.51 U1.9
I2C_SCL: JP1.3 R14.1 U1.36 | length 1687.2
  Top Layer w10: U1.36 1193.47,1880 v2(1263.6,1880) ; v2(1640,2202.8) 1652.8,2202.8 1682.77,2232.77 ; R14.1 1682.77,2232.77 ; JP1.3 1785,2785 1682.77,2682.77 1682.77,2232.77
  Bottom Layer w10: v2(1263.6,1880) 1263.6,2173.6 1292.8,2202.8 v2(1640,2202.8)
I2C_SDA: JP1.4 R15.1 U1.33 | length 1855.1
  Top Layer w10: U1.33 1195.5,1721 1276,1721 1315,1760 1315,2095 1347.61,2127.61 R15.1 1517.77,2817.77 1585,2885 JP1.4
JLINK_TCK: JP3.5 U1.16 | length 768.3
  Top Layer w10: v2(650,1230) 655,1230 667.35,1242.35 U1.16
  Bottom Layer w10: JP3.5 35,1355 80,1310 80,1255 105,1230 v2(650,1230)
JLINK_TDI: JP3.4 U1.14 | length 602.3
  Top Layer w10: v2(455,1327.81) 455,1326.97 453.03,1325 451.51,1326.51 U1.14
  Bottom Layer w10: JP3.4 65,1470 90,1445 90,1336 111,1315 440,1315 452.81,1327.81 v2(455,1327.81)
JLINK_TDO: JP3.6 U1.23 | length 1139.7
  Top Layer w10: U1.23 1005,1261.8 1020,1246.8 v2(1020,1225)
  Bottom Layer w10: JP3.6 35,1240 120,1155 121,1156 951,1156 v2(1020,1225)
JLINK_TMS: JP3.3 U1.13 | length 565.8
  Top Layer w10: v2(460,1370) 488.2,1370 U1.13
  Bottom Layer w10: JP3.3 40,1570 90,1520 90,1485 170,1405 405,1405 440,1370 v2(460,1370)
LED: LED1.1 U1.11 | length 287.1
  Top Layer w10: LED1.1 363.67,1277.57 401.09,1315 401.09,1421.09 456.51,1476.51 U1.11
NetC7_1: C7.1 C31.1 D3.2 Q2.2 VR2.3 | length 728.4
  Top Layer w20: Q2.2 1267.11,764.87 C7.1 1317.77,782.77 1360,825 1496.26,825 D3.2 1496.26,795 1496.26,691.26 VR2.3 1496.26,678.74 1496.26,559.03 1455,517.77 C31.1
NetC34_2: C34.2 IC8.5 R33.1 | length 188.3
  Top Layer w20: IC8.5 1570.71,179.29 1607.57,142.43 C34.2 1707.05,142.43 R33.1
NetD2_2: D2.2 F1.2 R34.1 R44.2 | length 695
  Top Layer w20: D2.2@380,355.94 398.34,337.61 482.88,337.61 ; F1.2 R34.1@520,355 ; R34.1 R34.1@520,337.61 ; R44.2 540,95 445,190 445,299.73 482.88,337.61 ; 482.88,337.61 R34.1@502.61,337.61 ; R34.1@502.61,337.61 R34.1@520,355 ; R34.1@502.61,337.61 R34.1@520,337.61 ; R34.1@520,337.61 R34.1@520,355
NetD3_1: D3.1 IC2.1 L3.2 | length 732
  Top Layer w20: L3.2 1585,1155 1668.74,1071.26 D3.1 1730,810 1775,765 IC2.1
NetF1_1: F1.1 USB1.1 | length 185.9
  Top Layer w20: USB1.1 260,334 320,394 F1.1
NetIC1_1: IC1.1 R1.1 R7.2 | length 163
  Top Layer w20: R1.1 1590.5,1539.62 R7.2 1602.93,1542.41 IC1.1@1602.93,1612.46
NetIC1_2: IC1.2 R2.1 R8.2 | length 292.3
  Top Layer w20: R2.1 1515.5,1624.97 R8.2 1605.32,1709.83 1652.93,1662.23 IC1.2@1652.93,1612.46
NetIC1_3: IC1.3 R3.1 | length 83.1
  Top Layer w20: R3.1 1702.93,1546.85 IC1.3@1702.93,1612.46
NetIC1_5: IC1.5 R4.1 R12.1 | length 189.3
  Top Layer w10: R4.1 1784.99,1975 R12.1
  Top Layer w20: IC1.5@1752.93,1891.99 1752.93,1967.61 R4.1
NetIC1_6: IC1.6 R11.1 R13.2 | length 345.4
  Top Layer w20: R13.2 1515.5,1794.97 1670.67,1794.97 1702.93,1827.23 IC1.6@1702.93,1891.99
NetIC1_7: IC1.7 R5.1 | length 94.4
  Top Layer w20: IC1.7@1652.93,1891.99 1652.93,1947.61 R5.1
NetIC1_8: IC1.8 R6.1 | length 86.2
  Top Layer w20: R6.1 1602.93,1967.39 IC1.8@1602.93,1891.99
NetIC2_3: IC2.3 VR2.2 | length 228.3
  Top Layer w20: VR2.2 1755,485 1775,505 IC2.3
NetIC2_4: IC2.4 R27.1 | length 78.3
  Top Layer w20: R27.1 1885,464.83 IC2.4
NetIC8_2: IC8.2 R35.2 | length 253.3
  Top Layer w20: R35.2 1297.61,97.39 v1(1300,95) ; v1(1390,180) 1395.29,180 1396,179.29 IC8.2
  Bottom Layer w20: v1(1300,95) 1345.71,95 1390,139.29 v1(1390,180)
NetIC9_2: IC9.2 R38.2 | length 99.7
  Top Layer w20: IC9.2 1231.83,305 1292.21,305 R38.2
NetIC9_6: IC9.6 R37.1 | length 87.6
  Top Layer w20: R37.1 996.62,332.39 IC9.6
NetIC9_7: IC9.7 R36.1 | length 97
  Top Layer w20: R36.1 955.36,285 IC9.7
NetLED1_2: LED1.2 R19.2 | length 88
  Top Layer w20: R19.2 344.72,1195 LED1.2
NetLED4_2: LED4.2 R30.2 | length 75.8
  Top Layer w20: R30.2 448.59,595.4 LED4.2
NetLED5_2: LED5.2 R36.2 | length 81.5
  Top Layer w20: LED5.2 842.77,247.57 R36.2
NetLED6_2: LED6.2 R37.2 | length 77.5
  Top Layer w20: LED6.2 835.29,329.73 R37.2
NetQ2_1: Q2.1 R9.2 R10.2 | length 205.6
  Top Layer w20: Q2.1 1257.04,679.99 R9.2 R10.2
NetR28_2: R28.2 VR2.1 | length 310.6
  Top Layer w20: v1(1882.77,764.87) 1955,764.87 R28.2
  Bottom Layer w20: VR2.1 1696.26,691.26 1702.52,685 1782.52,765 1782.65,764.87 v1(1882.77,764.87)
PMS_Reset: R25.2 SS1.5 | length 514
  Top Layer w10: R25.2 285,2267.76 v2(285,2330)
  Bottom Layer w10: SS1.5 181.85,2621.85 161.85,2601.85 161.85,2358.15 190,2330 280,2330 285,2325 v2(285,2330)
PMS_Set: R40.2 SS1.10 | length 538.7
  Top Layer w10: SS1.10 312.26,2721.85 354.54,2679.57 R40.2
RXD0: JP2.4 U1.34 | length 782.1
  Top Layer w10: U1.34 1242.09,1776.51 1263.6,1755 v2(1276,1755)
  Bottom Layer w10: v2(1276,1755) 1850,1755 JP2.4@1930,1675
RXD_Dust: SS1.7 U1.28 | length 2275.9
  Top Layer w10: v2(1135,1500) 1158.49,1476.51 U1.28
  Bottom Layer w10: 168.63,1495 165,1495 140,1520 140,2650 161.85,2671.85 SS1.7 ; 169.23,1495 1130,1495 v2(1135,1500)
SPI_CS: R7.1 U1.29 | length 460.2
  Top Layer w10: U1.29 1248.64,1526.51 1268.6,1506.56 v2(1268.6,1460) ; v2(1528.28,1460) R7.1
  Bottom Layer w10: v2(1268.6,1460) v2(1528.28,1460)
SPI_MISO: R8.1 U1.31 | length 286.5
  Top Layer w10: U1.31 1191.5,1625 v2(1265.7,1625) ; v2(1392.23,1695) 1425.87,1695 R8.1
  Bottom Layer w10: v2(1265.7,1625) 1315,1625 v2@1384.97,1694.97 ; v2@1384.94,1695 v2(1392.23,1695)
SPI_MOSI: R12.2 U1.37 | length 770.7
  Top Layer w10: U1.37 1265.7,1926.51 1285,1907.22 v2(1285,1843.47) ; 1765.35,1839.65 R12.2@1845.54,1839.65
  Bottom Layer w10: v2(1285,1843.47) 1277,1843.47 1276,1844.47 1275,1843.47 1282.08,1836.39 1285.07,1836.42 1737.76,1840.99 v2(1785,1840.99)
SPI_SCK: R11.2 U1.30 | length 422.8
  Top Layer w10: U1.30 1266.59,1576.51 1295,1604.93 v2(1295,1700) ; v2(1375,1715) 1375,1760.06 1409.57,1794.62 R11.2
  Bottom Layer w10: v2(1295,1700) 1355,1700 1370,1715 v2(1375,1715)
TXD0: JP2.3 U1.35 | length 765.5
  Top Layer w10: U1.35 1206.5,1810 v2(1275,1810)
  Bottom Layer w10: v2(1275,1810) 1885,1810 1890,1815 JP2.3@1930,1775
TXD_Dust: SS1.9 U1.27 | length 2421.2
  Top Layer w10: U1.27 1231.51,1426.51 v2(1235,1430)
  Bottom Layer w10: SS1.9 213.46,2730 205.31,2738.15 237.17,2770 1181.83,2770 1235,2716.83 v2(1235,1430)
pads on no net: DHT1.3 IC2.6 IC6.4 IC8.4 IC10.2 IC10.5 SS1.6 SS1.8 U1.4 U1.5 U1.6 U1.7 U1.10 U1.17 U1.18 U1.19 U1.20 U1.21 U1.22 U1.26 U1.32 USB1.2 USB1.3 USB1.4

## Polygon pours and split planes (outlines as drawn)
GND on Top Layer "Top Poly" (solid, remove dead copper, pour order 12): 0,3790 0,0 2010,0 2010,3790
GND on Top Layer "Top Poly" (solid, remove dead copper, pour order 10): 0,3790 0,0 2010,0 2005,5 2005,3790
GND on Bottom Layer "Bot Poly" (solid, remove dead copper, pour order 14): 0,3790 2010,3790 2010,0 2005,-5 0,-5

## Silkscreen, mask and mechanical layers (free items; w line width, h text height)
Bottom Solder:
  lines w10: 0,0 0,3790 40,3790 1970,3790 2010,3790 2010,55 2010,0 10,0 0,0 ; 490,2010 1190,2010 1195,2010 1195,2270 490,2270 490,2265 490,2010